# Altium PCB LimeKEY-RPCM_1v0.PcbDoc (part 3 of 8)
Units mm, origin at the board's own origin, x right, y up, seen from the top; angles counter-clockwise.
Board outline 170.15 x 110.15 mm, 6 copper layers (Top, L2, L3, L4, L5, Bottom), stack 1.583 mm thick; 716 components, 436 nets, 3084 pads, 1299 vias.
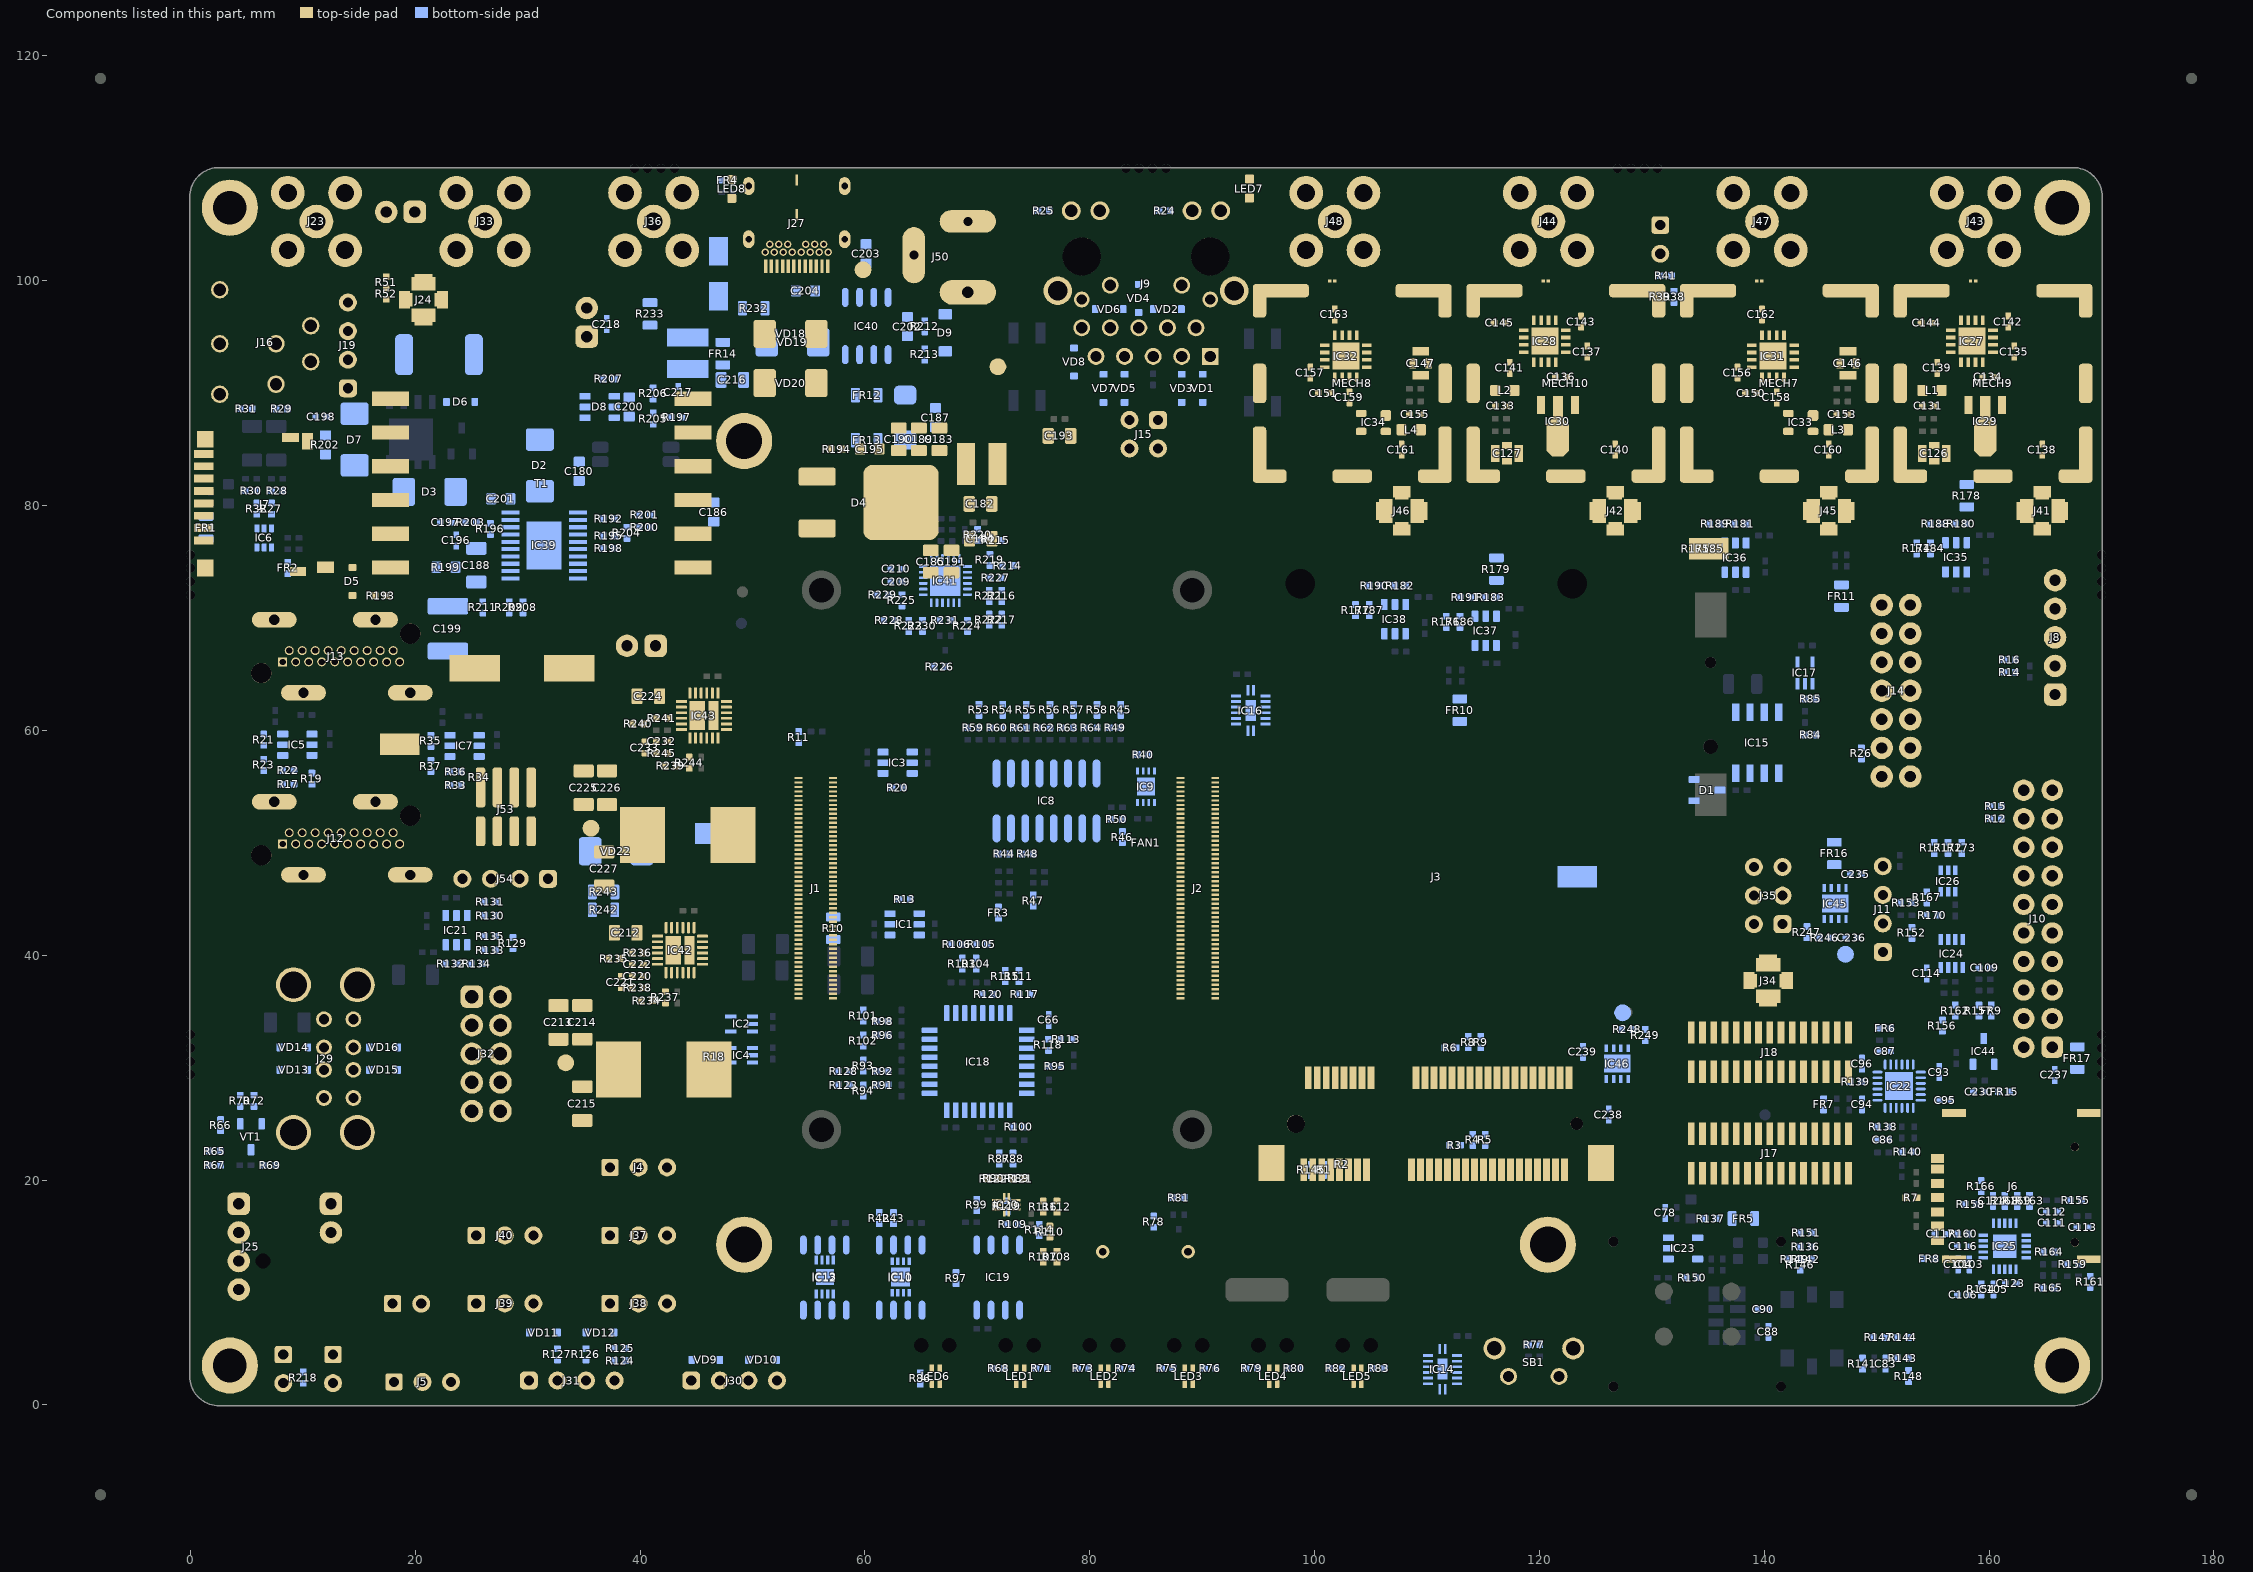
[diagram p7: the components of this part, seen from the top]

## Part data (continued)
C66 C230 C235 C236 C237 C238 C239: library part Cap_0402, Capacitance=4.7µF, Manufacturer="Murata Electronics North America", Manufacturer Part Number 1=GRM155R60J475ME87D, Operating Temperature="-55°C ~ 85°C", Package / Case="0402 (1005 Metric)", Ratings=-, Supplier Part Number 1=490-5408-1-ND, Temperature Coefficient=X5R, Tolerance=±20%, Voltage - Rated=6.3V, Applications="General Purpose", Category=Capacitors, Features="Derating Recommended", Height - Seated (Max)=-, Lead Spacing=-, Lead Style=-, Mounting Type="Surface Mount, MLCC", Packaging="Cut Tape (CT)", Part Description="4.7µF ±20% 6.3V X5R Ceramic Capacitor -55°C ~ 85°C Surface Mount, MLCC 0402 (1005 Metric) 0.039\" L x 0.020\" W (1.00mm x 0.50mm)", RoHS="RoHS Compliant", Size / Dimension="0.039\" L x 0.020\" W (1.00mm x 0.50mm)", Supplier 1=Digi-Key, Thickness (Max)="0.022\" (0.55mm)"
  C230 C237: Assembly Info=NF
C78 C86 C87 C93 C94 C95 C96 C103 C104 C105 C106 C109 C111 C112 C113 C131 C133 C134 C136 C138 C139 C140 C141 C142 C143 C144 C145 C153 C155 C156 C157 C158 C159 C160 C161 C162 C163: library part Cap_0402, Capacitance=100pF, Manufacturer=Yageo, Manufacturer Part Number 1=CC0402JRNPO9BN101, Operating Temperature="-55°C ~ 125°C", Package / Case="0402 (1005 Metric)", Ratings=-, Supplier Part Number 1=311-1024-1-ND, Temperature Coefficient="C0G, NP0", Tolerance=±5%, Voltage - Rated=50V, Applications="General Purpose", Category=Capacitors, Features=-, Height - Seated (Max)=-, Lead Spacing=-, Lead Style=-, Mounting Type="Surface Mount, MLCC", Packaging="Cut Tape (CT)", Part Description="100pF ±5% 50V C0G, NP0 Ceramic Capacitor -55°C ~ 125°C Surface Mount, MLCC 0402 (1005 Metric) 0.039\" L x 0.020\" W (1.00mm x 0.50mm)", RoHS="RoHS Compliant", Size / Dimension="0.039\" L x 0.020\" W (1.00mm x 0.50mm)", Supplier 1=Digi-Key, Thickness (Max)="0.022\" (0.55mm)"
C83 C88: library part Cap_0402, "CAP CER 1UF 10V X5R 0402", Capacitance=1, Capacitance Tolerance="± 10%", Ceramic Capacitor Case="0402 [1005 Metric]", Dielectric Characteristic=X6, Manufacturer=Yageo, Manufacturer Part Number 1=CC0402MRX5R6BB105, Supplier Part Number 1=311-1732-1-ND, Voltage Rating=10, Assembly Info=NF, MSL=-, Part Description="1µF 10V Ceramic Capacitor X5R 0402 (1005 Metric) 0.039\" L x 0.020\" W (1.00mm x 0.50mm)", Product Range="TDK - C Series", RoHS=YES, Supplier 1=Digi-Key
C90: library part Cap_0402, Capacitance=0.018µF, Manufacturer=Yageo, Manufacturer Part Number 1=CC0402KRX7R7BB183, Operating Temperature="-55°C ~ 125°C", Package / Case="0402 (1005 Metric)", Supplier Part Number 1=311-1706-1-ND, Temperature Coefficient=X7R, Tolerance=±10%, Voltage - Rated=16V, Applications="General Purpose", Assembly Info=NF, Category=Capacitors, Mounting Type="Surface Mount, MLCC", Packaging="Cut Tape (CT)", Part Description="0.018µF ±10% 16V Ceramic Capacitor X7R 0402 (1005 Metric)", Part Status=Active, RoHS="RoHS Compliant", Size / Dimension="0.039\" L x 0.020\" W (1.00mm x 0.50mm)", Supplier 1=Digi-Key, Thickness (Max)="0.022\" (0.55mm)"
C114 C116 C117: library part Cap_0402, Manufacturer="Murata Electronics North America", Manufacturer Part Number 1=GCM155R71H102KA37D, Operating Temperature="-55°C ~ 125°C", Package / Case="0402 (1005 Metric)", Ratings=AEC-Q200, Supplier Part Number 1=490-4761-1-ND, Temperature Coefficient=X7R, Tolerance=±10%, Voltage - Rated=50V, Applications=Automotive, Category=Capacitors, Features=-, Height - Seated (Max)=-, Lead Spacing=-, Lead Style=-, Mounting Type="Surface Mount, MLCC", Packaging="Cut Tape (CT)", Part Description="1000pF ±10% 50V Ceramic Capacitor X7R 0402 (1005 Metric)", Part Status=Active, RoHS="RoHS Compliant", Size / Dimension="0.039\" L x 0.020\" W (1.00mm x 0.50mm)", Supplier 1=Digi-Key, Thickness (Max)="0.022\" (0.55mm)"
C123: library part Cap_0402, Capacitance=220pF, Manufacturer=Yageo, Manufacturer Part Number 1=CC0402KRX7R9BB221, Operating Temperature="-55°C ~ 125°C", Package / Case="0402 (1005 Metric)", Ratings=-, Supplier Part Number 1=311-1035-2-ND, Temperature Coefficient=X7R, Tolerance=±10%, Voltage - Rated=50V, Applications="General Purpose", Category=Capacitors, Features=-, Height - Seated (Max)=-, Lead Spacing=-, Lead Style=-, Mounting Type="Surface Mount, MLCC", Packaging="Tape & Reel (TR)", Part Description="220pF ±10% 50V X7R Ceramic Capacitor -55°C ~ 125°C Surface Mount, MLCC 0402 (1005 Metric) 0.039\" L x 0.020\" W (1.00mm x 0.50mm)", RoHS="RoHS Compliant", Size / Dimension="0.039\" L x 0.020\" W (1.00mm x 0.50mm)", Supplier 1=Digi-Key, Thickness (Max)="0.022\" (0.55mm)"
C124: library part Cap_0402, Capacitance=10, Capacitance Tolerance="± 5%", Capacitor Case Style="0402 [1005 Metric]<!--FANDB--><div class=\"features-and-benefits-container\"></div>", Ceramic Capacitor Case="0402 [1005 Metric]", Dielectric Characteristic="C0G / NP0", Manufacturer=AVX, Manufacturer Part Number 1=04023A100JAT2A, Operating Temperature Max=125, Operating Temperature Min=-55, Supplier Part Number 1=2332478RL, Voltage Rating=25, Capacitance Tolerance ±="± 5%", MSL="MSL 1 - Unlimited", Packaging="Cut Tape", Part Description="10pF ±5% 25V C0G, NP0 Ceramic Capacitor -55°C ~ 125°C Surface Mount, MLCC 0402 (1005 Metric) 0.039\" L x 0.020\" W (1.00mm x 0.50mm)", Product Range=-, RoHS=YES, Supplier 1=Farnell, SVHC="No SVHC (16-Jun-2014)"
C126 C127 C146 C147: library part Cap_feed_through, Capacitance=470nF, Case/Package=0805, Case Code (Metric)=2012, Current=2A, DC Resistance (DCR)=30mR, Insulation Resistance=1GR, Manufacturer=Murata, Manufacturer Part Number 1=NFM21PC474R1C3D, Max Operating Temperature=125°C, Max Voltage Rating (DC)=16V, Min Operating Temperature=-55°C, Package Quantity=1, Supplier Part Number 1=490-2537-1-ND, Tolerance=20%, Case Code (Imperial)=0805, Current Rating=2A, Depth=1.25mm, Height=0.85mm, Lead Free="Lead Free", Length=2mm, Max Current Rating=2A, Mount="Surface Mount,PCB", Packaging="Tape and Reel", Part Description="0.47µF Feed Through Capacitor 16V 2A 30mOhm 0805 (2012 Metric), 3 PC Pad", Pricing 1="1=0,25000, 10=0,22900, 25=0,21840, 50=0,21160, 100=0,20450, 250=0,19392, 500=0,16218, 1000=0,12586 (USD)", Radiation Hardening=No, REACH SVHC="No SVHC", RoHS=Yes, Stock 1=220606, Supplier 1=Digi-Key, Termination=Flat, Voltage=16V, Voltage Rating=16V, Voltage Rating (DC)=16V, Weight=0.000194oz, Width=1.25mm
C135 C137 C150 C151 C197: library part Cap_0402, Manufacturer="Murata Electronics North America", Manufacturer Part Number 1=GRM155R71H103KA88D, Operating Temperature="-55°C ~ 125°C", Package / Case="0402 (1005 Metric)", Ratings=-, Supplier Part Number 1=490-4516-2-ND, Temperature Coefficient=X7R, Tolerance=±10%, Voltage - Rated=50V, Applications="General Purpose", Category=Capacitors, ComponentLink1Description=http://www.murata.com/~/media/webrenewal/support/library/catalog/products/capacitor/mlcc/c02e.ashx?la=en-us, ComponentLink1URL=http://www.murata.com/~/media/webrenewal/support/library/catalog/products/capacitor/mlcc/c02e.ashx?la=en-us, Features=-, Height - Seated (Max)=-, Lead Spacing=-, Lead Style=-, Mounting Type="Surface Mount, MLCC", Packaging="Tape & Reel (TR)", Part Description="10000pF ±10% 50V Ceramic Capacitor X7R 0402 (1005 Metric)", Part Status=Active, Pricing 1="10000=0.00185, 20000=0.00176, 30000=0.00167 (USD)", RoHS="RoHS Compliant", Size / Dimension="0.039\" L x 0.020\" W (1.00mm x 0.50mm)", Stock 1=10970000, Supplier 1=Digi-Key, Thickness (Max)="0.022\" (0.55mm)"
C180 C186: library part Cap_0603, Manufacturer="Murata Electronics North America", Manufacturer Part Number 1=GRM188R72A104KA35D, Operating Temperature="-55°C ~ 125°C", Package / Case="0603 (1608 Metric)", Ratings=-, Supplier Part Number 1=490-3285-1-ND, Temperature Coefficient=X7R, Tolerance=±10%, Voltage - Rated=100V, Applications="General Purpose", Category=Capacitors, Features=-, Height - Seated (Max)=-, Lead Spacing=-, Lead Style=-, Mounting Type="Surface Mount, MLCC", Notification="Current market demand for these product types have resulted in fluctuating and extending lead times. Lead times may differ.", Packaging="Cut Tape (CT)", Part Description="0.1µF ±10% 100V Ceramic Capacitor X7R 0603 (1608 Metric)", Part Status="Not For New Designs", RoHS="RoHS Compliant", Size / Dimension="0.063\" L x 0.031\" W (1.60mm x 0.80mm)", Supplier 1=Digi-Key, Thickness (Max)="0.035\" (0.90mm)"
C181: library part Cap_ceramic, Capacitance=100uF, Case/Package=Radial, Manufacturer=KEMET, Manufacturer Part Number 1=EEV107M063A9PAA, Max Operating Temperature=105°C, Min Operating Temperature=-40°C, Package Quantity=1, Supplier Part Number 1=399-6702-1-ND, Tolerance=20%, Voltage Rating=63V, ComponentLink1Description=http://components.arrow.com/part/dataview/41677645S8110057N1386, ComponentLink1URL=http://components.arrow.com/part/dataview/41677645S8110057N1386, ComponentLink2Description=https://www.distrelec.biz/Web/Downloads/_t/ds/PAN-FK_eng_tds.pdf?mime=application%2Fpdf, ComponentLink2URL=https://www.distrelec.biz/Web/Downloads/_t/ds/PAN-FK_eng_tds.pdf?mime=application%2Fpdf, ComponentLink3Description=http://uk.rs-online.com/webdocs/139e/0900766b8139e40f.pdf, ComponentLink3URL=http://uk.rs-online.com/webdocs/139e/0900766b8139e40f.pdf, ComponentLink4Description=http://www.alliedelec.com/m/d/e9dd47fa10a053d1f2828ce8bc944f54.pdf, ComponentLink4URL=http://www.alliedelec.com/m/d/e9dd47fa10a053d1f2828ce8bc944f54.pdf, ComponentLink5Description=https://industrial.panasonic.com/cdbs/www-data/pdf/RDE0000/ABA0000C1181.pdf, ComponentLink5URL=https://industrial.panasonic.com/cdbs/www-data/pdf/RDE0000/ABA0000C1181.pdf, ComponentLink6Description=http://www.farnell.com/datasheets/2002520.pdf, ComponentLink6URL=http://www.farnell.com/datasheets/2002520.pdf, ComponentLink7Description=http://industrial.panasonic.com/www-data/pdf/ABA0000/ABA0000CE120.pdf, ComponentLink7URL=http://industrial.panasonic.com/www-data/pdf/ABA0000/ABA0000CE120.pdf, ComponentLink8Description=http://www.farnell.com/datasheets/731857.pdf, ComponentLink8URL=http://www.farnell.com/datasheets/731857.pdf, ComponentLink9Description=http://www.produktinfo.conrad.com/datenblaetter/425000-449999/443507-da-01-en-SMD_ELKO_VFK_F_22_UF_100V.pdf, ComponentLink9URL=http://www.produktinfo.conrad.com/datenblaetter/425000-449999/443507-da-01-en-SMD_ELKO_VFK_F_22_UF_100V.pdf, ComponentLink10Description=https://industrial.panasonic.com/cdbs/www-data/pdf/RDE0000/DME0000COL90.pdf, ComponentLink10URL=https://industrial.panasonic.com/cdbs/www-data/pdf/RDE0000/DME0000COL90.pdf, ComponentLink11Description=http://www.industrial.panasonic.com/www-data/pdf/ABA0000/ABA0000CE2.pdf, ComponentLink11URL=http://www.industrial.panasonic.com/www-data/pdf/ABA0000/ABA0000CE2.pdf, ComponentLink12Description=http://www.mouser.com/ds/2/315/ABA0000C1145-947633.pdf, ComponentLink12URL=http://www.mouser.com/ds/2/315/ABA0000C1145-947633.pdf, ComponentLink13Description=http://www.farnell.com/datasheets/2648708.pdf, ComponentLink13URL=http://www.farnell.com/datasheets/2648708.pdf, ComponentLink14Description=http://industrial.panasonic.com/www-data/pdf/ABA0000/ABA0000CE2.pdf, ComponentLink14URL=http://industrial.panasonic.com/www-data/pdf/ABA0000/ABA0000CE2.pdf, ComponentLink15Description=https://datasheet.ciiva.com/15949/41cat-db-al-cgieejppdfnamemve-cgieejppdfnamemve-15949785.pdf?src-supplier=Onlinecomponents.com, ComponentLink15URL=https://datasheet.ciiva.com/15949/41cat-db-al-cgieejppdfnamemve-cgieejppdfnamemve-15949785.pdf?src-supplier=Onlinecomponents.com, ComponentLink16Description=http://www.mouser.com/ds/2/212/KEM_A4002_EEV-535332.pdf?src-supplier=Mouser, ComponentLink16URL=http://www.mouser.com/ds/2/212/KEM_A4002_EEV-535332.pdf?src-supplier=Mouser, ComponentLink17Description=https://content.kemet.com/datasheets/KEM_A4002_EEV.pdf?src-supplier=Digi-Key, ComponentLink17URL=https://content.kemet.com/datasheets/KEM_A4002_EEV.pdf?src-supplier=Digi-Key, Height - Seated (Max)=0.413inch, Length=10.2mm, Life (Hours)=2000Hour, Mount="Surface Mount", Packaging="Tape and Reel", Part Description="100 µF 63 V Aluminum Electrolytic Capacitors Radial, Can - SMD 2000 Hrs @ 105°C", Pricing 1="1=0,92000, 10=0,69700, 50=0,57940, 100=0,49890 (USD)", RoHS=Yes, Stock 1=5871, Supplier 1=Digi-Key, Termination=SMD/SMT, Voltage Rating (DC)=63V
C182 C183 C184 C185 C189 C190 C191 C193 C212 C216 C224: library part Cap_0603, Capacitance=10µF, Manufacturer="Murata Electronics North America", Manufacturer Part Number=GRM188R61E106MA73D, Operating Temperature="-55°C ~ 85°C", Package / Case="0603 (1608 Metric)", Ratings=-, Supplier Part Number 1=490-7202-2-ND, Temperature Coefficient=X5R, Tolerance=±20%, Voltage - Rated=25V, Applications="General Purpose", Category=Capacitors, Features=-, Height - Seated (Max)=-, Lead Spacing=-, Lead Style=-, Manufacturer Part Number 1=GRM188R61E106MA73D, Mounting Type="Surface Mount, MLCC", Packaging="Tape & Reel (TR)", Part Description="10µF ±20% 25V X5R Ceramic Capacitor -55°C ~ 85°C Surface Mount, MLCC 0603 (1608 Metric) 0.063\" L x 0.031\" W (1.60mm x 0.80mm)", RoHS="RoHS Compliant", Size / Dimension="0.063\" L x 0.031\" W (1.60mm x 0.80mm)", Supplier 1=Digi-Key, Thickness (Max)="0.031\" (0.80mm)"
C187: library part Cap_0603, Capacitance=1nF, Case/Package=0603, Case Code (Metric)=1608, Dielectric=X7R, Dielectric Material=Ceramic, Manufacturer=KEMET, Manufacturer Part Number 1=C0603C102K1RACTU, Max Operating Temperature=125°C, Min Operating Temperature=-55°C, Package Quantity=1, Supplier Part Number 1=399-7831-2-ND, Tolerance=10%, Voltage=100V, Case Code (Imperial)=0603, Depth=0.8mm, Dissipation Factor=10%, Height=0.8mm, Lead Pitch=0.7mm, Length=1.6mm, Mount="Surface Mount", Number of Pins=2, Packaging="Tape and Reel", Part Description="1000pF ±10% 100V Ceramic Capacitor X7R 0603 (1608 Metric)", Radiation Hardening=No, REACH SVHC="No SVHC", Supplier 1=Digi-Key, Termination=SMD/SMT, Thickness=0.034inch, Voltage Rating=100V, Voltage Rating (DC)=100V, Width=0.8mm
C188: library part Cap_1206, Manufacturer="TDK Corporation", Manufacturer Part Number 1=C3216X7S2A225K160AE, Operating Temperature="-55°C ~ 125°C", Package / Case="1206 (3216 Metric)", Ratings=-, Supplier Part Number 1=445-8900-1-ND, Temperature Coefficient=X7S, Tolerance=±10%, Voltage - Rated=100V, Applications="Boardflex Sensitive", Category=Capacitors, Failure Rate=-, Features="Soft Termination", Height - Seated (Max)=-, Lead Spacing=-, Lead Style=-, Mounting Type="Surface Mount, MLCC", Packaging="Cut Tape (CT)", Part Description="2.2µF ±10% 100V Ceramic Capacitor X7S 1206 (3216 Metric)", Part Status=Active, RoHS="RoHS Compliant", Size / Dimension="0.126\" L x 0.063\" W (3.20mm x 1.60mm)", Supplier 1=Digi-Key, Thickness (Max)="0.075\" (1.90mm)"
C195: library part Cap_0402, Manufacturer="Walsin Technologies", Manufacturer Part Number 1=0603B471K201CT, Supplier Part Number 1=791-0603B471K201CT, Part Description="Multilayer Ceramic Capacitors MLCC - SMD/SMT 470pF, +-10%, 200V", Pricing 1="1=0,11000, 10=0,05200, 50=0,05200, 100=0,02400, 1000=0,01300, 10000=0,00900 (USD)", RoHS=Yes, RoHS Compliant=Yes, Stock 1=8000, Supplier 1=Mouser
C196: library part Cap_0402, Capacitance=47nF, Case/Package=0402, Case Code (Metric)=1005, Dielectric=X7R, Manufacturer=Murata, Manufacturer Part Number 1=GRM155R71H473ME14D, Max Operating Temperature=125°C, Min Operating Temperature=-55°C, Package Quantity=10000, Resistor Type=Ceramic, Supplier Part Number 1=490-GRM155R71H473ME14DCT-ND, Tolerance=20%, Voltage Rating=50V, Case Code (Imperial)=0402, ComponentLink1Description=http://www.mouser.com/ds/2/281/c02e-2905.pdf?src-supplier=Mouser, ComponentLink1URL=http://www.mouser.com/ds/2/281/c02e-2905.pdf?src-supplier=Mouser, ComponentLink2Description=http://search.murata.co.jp/Ceramy/image/img/A01X/partnumbering_e_01.pdf?src-supplier=Digi-Key, ComponentLink2URL=http://search.murata.co.jp/Ceramy/image/img/A01X/partnumbering_e_01.pdf?src-supplier=Digi-Key, Height=0.5mm, Length=0.039inch, Mount="Surface Mount", Packaging="Tape and Reel", Part Description="Cap 0.047UF 50VDC X7R 20% SMD 0402 Paper Tape", Pricing 1="1=0,10000, 10=0,02900, 50=0,01580, 100=0,01290, 500=0,00924, 1000=0,00726, 2500=0,00660, 5000=0,00607 (USD)", RoHS=Yes, RoHS Compliant=Yes, Stock 1=3713, Supplier 1=Digi-Key, Termination=SMD/SMT, Thickness=0.022inch, Voltage Rating (DC)=50V, Weight=0.000212oz, Width=0.5mm
C198: library part Cap_0402, Capacitance=100pF, Case/Package=0603, Case Code (Metric)=1608, Dielectric=C0G, Dielectric Material=Ceramic, Manufacturer=Yageo, Manufacturer Part Number 1=CC0603JRNPOABN101, Max Operating Temperature=125°C, Min Operating Temperature=-55°C, Supplier Part Number 1=311-3979-1-ND, Tolerance=5%, Voltage Rating=200V, Applications="General Purpose", Case Code (Imperial)=0603, ComponentLink1Description=https://datasheet.ciiva.com/8033/1669968-8033768.pdf?src-supplier=Element14, ComponentLink1URL=https://datasheet.ciiva.com/8033/1669968-8033768.pdf?src-supplier=Element14, ComponentLink2Description=https://datasheet.ciiva.com/8033/1669968-8033767.pdf?src-supplier=Element14, ComponentLink2URL=https://datasheet.ciiva.com/8033/1669968-8033767.pdf?src-supplier=Element14, ComponentLink3Description=https://datasheet.ciiva.com/13263/upy-gp-np0-16v-to-50v-8-3714-13263783.pdf?src-supplier=Mouser, ComponentLink3URL=https://datasheet.ciiva.com/13263/upy-gp-np0-16v-to-50v-8-3714-13263783.pdf?src-supplier=Mouser, ComponentLink4Description=https://datasheet.ciiva.com/11465/upy-np0x7r-mv-100-to-630v-9-11465021.pdf?src-supplier=Avnet, ComponentLink4URL=https://datasheet.ciiva.com/11465/upy-np0x7r-mv-100-to-630v-9-11465021.pdf?src-supplier=Avnet, Construction=Flat, Depth=0.8mm, Height=0.8mm, Length=1.6mm, Mount="Surface Mount", Packaging="Tape and Reel", Part Description="CAP CER 100PF 200V C0G/NPO 0603", Pricing 1="1=0,11000, 10=0,08400, 50=0,04560, 100=0,03720, 500=0,02660, 1000=0,02090 (USD)", Radiation Hardening=No, REACH SVHC=Unknown, Resistor Type=Ceramic, RoHS=Yes, RoHS Compliant=Yes, Series=CC, Stock 1=39006, Supplier 1=Digi-Key, Termination=SMD/SMT, Thickness=0.035inch, Voltage Rating (DC)=200V, Weight=7.1E-05oz, Width=0.031inch
C199: library part Cap_1206, Capacitance=1nF, Case/Package=1812, Case Code (Metric)=4532, Dielectric=X7R, Dielectric Material=Ceramic, Manufacturer=KEMET, Manufacturer Part Number=C1812C102KGRACAUTO, Manufacturer Part Number 1=C1812C102KGRACTU, Max Operating Temperature=125°C, Min Operating Temperature=-55°C, Operating Temperature="-55°C ~ 125°C", Package / Case="1812 (4532 Metric)", Ratings=-, Supplier Part Number 1=399-3447-1-ND, Tolerance=±10%, Voltage - Rated="2000V (2kV)", Voltage Rating (DC)=2kV, Applications="General Purpose", Case Code (Imperial)=1812, Category=Capacitors, Failure Rate=-, Features="High Voltage", Height - Seated (Max)=-, Lead Spacing=-, Lead Style=-, Length=4.5mm, Mounting Type="Surface Mount, MLCC", Notification="Current market demand for these product types have resulted in fluctuating and extending lead times. Lead times may differ.", Packaging="Cut Tape (CT)", Part Description="1000pF ±10% 2000V (2kV) Ceramic Capacitor X7R 1812 (4532 Metric)", Part Status=Active, Pricing 2="1=0.51, 10=0.355, 100=0.2132, 500=0.1599 (USD)", RoHS="RoHS Compliant", Size / Dimension="0.177\" L x 0.126\" W (4.50mm x 3.20mm)", Stock 2=4004, Supplier 1=Digi-Key, Supplier 2=Digi-Key, Supplier Part Number 2=399-16774-1-ND, Temperature Coefficient=X7R, Termination=SMD/SMT, Thickness (Max)="0.061\" (1.55mm)", Weight=0.000952oz, Width=3.2mm
C200 C201: library part Cap_0603, Capacitance=47nF, Case/Package=0603, Case Code (Metric)=1608, Dielectric=X7R, Manufacturer=Yageo, Manufacturer Part Number 1=CC0603KRX7R9BB473, Max Operating Temperature=125°C, Min Operating Temperature=-55°C, Package Quantity=1, Supplier Part Number 1=311-1427-1-ND, Tolerance=10%, Voltage=50V, Case Code (Imperial)=0603, ComponentLink1Description=http://www.yageo.com/documents/recent/UPY-GPHC_X7R_6.3V-to-50V_18.pdf, ComponentLink1URL=http://www.yageo.com/documents/recent/UPY-GPHC_X7R_6.3V-to-50V_18.pdf, ComponentLink2Description=http://www.yageo.com/exep/pages/download/literatures/ProductSelectionGuide%202014_Final_2.pdf, ComponentLink2URL=http://www.yageo.com/exep/pages/download/literatures/ProductSelectionGuide%202014_Final_2.pdf, ComponentLink3Description=http://documents.rs-components.com/techlib://itc_doclist_GB.htm?stockno=6698811, ComponentLink3URL=http://documents.rs-components.com/techlib://itc_doclist_GB.htm?stockno=6698811, ComponentLink4Description=http://www.farnell.com/datasheets/1489800.pdf, ComponentLink4URL=http://www.farnell.com/datasheets/1489800.pdf, ComponentLink5Description=https://www.verical.com/server-webapp/html/getDatasheet?partID=403593, ComponentLink5URL=https://www.verical.com/server-webapp/html/getDatasheet?partID=403593, Composition=Ceramic, Depth=0.8mm, Halogen Free="Halogen Free", Height=0.8mm, Lead Free="Lead Free", Length=1.6mm, Mount="Surface Mount", Packaging="Tape and Reel", Part Description="0.047µF ±10% 50V Ceramic Capacitor X7R 0603 (1608 Metric)", Pricing 1="1=0.11, 10=0.08, 100=0.0358, 500=0.02558, 1000=0.0201 (USD)", Radiation Hardening=No, REACH SVHC=Unknown, Stock 1=1174358, Supplier 1=Digi-Key, Termination=SMD/SMT, Thickness=0.035inch, Voltage Rating=50V, Voltage Rating (DC)=50V, Width=0.031inch
C202 C203 C204: library part Cap_0603, Manufacturer="Samsung Electro-Mechanics", Manufacturer Part Number 1=CL10A105KA8NNNC, Operating Temperature="-55°C ~ 85°C", Package / Case="0603 (1608 Metric)", Ratings=-, Supplier Part Number 1=1276-1102-1-ND, Temperature Coefficient=X5R, Tolerance=±10%, Voltage - Rated=25V, Applications="General Purpose", Category=Capacitors, Features=-, Height - Seated (Max)=-, Lead Spacing=-, Lead Style=-, Mounting Type="Surface Mount, MLCC", Notification="Current market demand for these product types have resulted in fluctuating and extending lead times. Lead times may differ.", Packaging="Cut Tape (CT)", Part Description="1µF ±10% 25V Ceramic Capacitor X5R 0603 (1608 Metric)", Part Status=Active, RoHS="RoHS Compliant", Size / Dimension="0.063\" L x 0.031\" W (1.60mm x 0.80mm)", Supplier 1=Digi-Key, Thickness (Max)="0.035\" (0.90mm)"
C209 C210: library part Cap_0402, Capacitance=390pF, Case/Package=0402, Case Code (Metric)=1005, Dielectric=X7R, Manufacturer=Samsung, Manufacturer Part Number 1=CL05B391KB5NNNC, Max Operating Temperature=125°C, Min Operating Temperature=-55°C, Package Quantity=1, Supplier Part Number 1=1276-1560-1-ND, Tolerance=10%, Voltage=50V, Case Code (Imperial)=0402, ComponentLink1Description=https://datasheet.ciiva.com/25738/cl05b391kb5nnnc-25738709.pdf?src-supplier=Digi-Key, ComponentLink1URL=https://datasheet.ciiva.com/25738/cl05b391kb5nnnc-25738709.pdf?src-supplier=Digi-Key, ComponentLink2Description=https://datasheet.ciiva.com/26838/getdatasheetpartid-660062-26838242.pdf?src-supplier=Verical, ComponentLink2URL=https://datasheet.ciiva.com/26838/getdatasheetpartid-660062-26838242.pdf?src-supplier=Verical, ComponentLink3Description=https://datasheet.ciiva.com/16202/cl05b104kq5nnnc-16202591.pdf?src-supplier=Future+Electronics, ComponentLink3URL=https://datasheet.ciiva.com/16202/cl05b104kq5nnnc-16202591.pdf?src-supplier=Future+Electronics, Construction=Flat, Depth=0.5mm, Height=0.5mm, Length=1mm, Mount="Surface Mount", Packaging="Tape and Reel", Part Description="390 pF ±10% 50V Ceramic Capacitor X7R 0402 (1005 Metric)", Pricing 1="1=0,10000, 10=0,03400, 50=0,01860, 100=0,01520, 500=0,01088, 1000=0,00855, 2500=0,00778, 5000=0,00715 (USD)", Radiation Hardening=No, RoHS=Yes, RoHS Compliant=Yes, Series=CL, Stock 1=1313447, Supplier 1=Digi-Key, Thickness=0.022inch, Voltage Rating=50V, Width=0.02inch
C213 C214 C225 C226: library part Cap_1206, Manufacturer="Samsung Electro-Mechanics", Manufacturer Part Number=CL31A476MQHNNNE, Operating Temperature="-55°C ~ 85°C", Package / Case="1206 (3216 Metric)", Ratings=-, Supplier Part Number 1=1276-1167-1-ND, Temperature Coefficient=X5R, Tolerance=±20%, Voltage - Rated=6.3V, Applications="General Purpose", Category=Capacitors, Features=-, Height - Seated (Max)=-, Lead Spacing=-, Lead Style=-, Manufacturer Part Number 1=CL31A476MQHNNNE, Mounting Type="Surface Mount, MLCC", Notification="Current market demand for these product types have resulted in fluctuating and extending lead times. Lead times may differ.", Packaging="Cut Tape (CT)", Part Description="47µF ±20% 6.3V Ceramic Capacitor X5R 1206 (3216 Metric)", Part Status=Active, RoHS="RoHS Compliant", Size / Dimension="0.126\" L x 0.063\" W (3.20mm x 1.60mm)", Supplier 1=Digi-Key, Thickness (Max)="0.071\" (1.80mm)"
  C226: Assembly Info=NF
C215 C227: library part Cap_1206, Capacitance Tolerance="± 20%", Ceramic Capacitor Case="1206 [3216 Metric]", Manufacturer=MURATA, Manufacturer Part Number 1=GRM31CR60J107ME39L., Supplier Part Number 1=1735535, Voltage Rating=6.3, Assembly Info=NF, Part Description="SMD Multilayer Ceramic Capacitor, 1206 [3216 Metric], 100 µF, 6.3 V, ± 20%, X5R, GRM Series", Supplier 1=Farnell
C217 C218 C222: library part Cap_0402, Capacitance=0.022µF, Manufacturer=Kemet, Manufacturer Part Number 1=C0402C223K5RACTU, Operating Temperature="-55°C ~ 125°C", Package / Case="0402 (1005 Metric)", Ratings=-, Supplier Part Number 1=399-7780-1-ND, Temperature Coefficient=X7R, Tolerance=±10%, Voltage - Rated=50V, Applications="General Purpose", Category=Capacitors, Features=-, Height - Seated (Max)=-, Lead Spacing=-, Lead Style=-, Mounting Type="Surface Mount, MLCC", Packaging="Cut Tape (CT)", Part Description="0.022µF ±10% 50V X7R Ceramic Capacitor -55°C ~ 125°C Surface Mount, MLCC 0402 (1005 Metric) 0.039\" L x 0.020\" W (1.00mm x 0.50mm)", RoHS="RoHS Compliant", Size / Dimension="0.039\" L x 0.020\" W (1.00mm x 0.50mm)", Supplier 1=Digi-Key, Thickness (Max)="0.022\" (0.55mm)"
C220: library part Cap_0402, Capacitance=4.7, Capacitance Tolerance="± 0.25", Ceramic Capacitor Case="0402 [1005 Metric]", Dielectric Characteristic="C0G / NP0", Manufacturer="Murata Electronics North America", Manufacturer Part Number 1=GRM1555C1H4R7CA01D, Operating Temperature Max=125, Operating Temperature Min=-55, Supplier Part Number 1=2434644, Voltage Rating=50, MSL="MSL 1 - Unlimited", Packaging="Cut Tape", Part Description="4.7pF ±0.25pF 50V C0G, NP0 Ceramic Capacitor -55°C ~ 125°C Surface Mount, MLCC 0402 (1005 Metric) 0.039\" L x 0.020\" W (1.00mm x 0.50mm)", Product Range="GRM Series", RoHS=YES, Supplier 1=Farnell, SVHC="No SVHC (15-Jun-2015"
C221 C233: library part Cap_0402, Capacitance=1200pF, Manufacturer=Kemet, Manufacturer Part Number 1=C0402C122J5GACTU, Operating Temperature="-55°C ~ 125°C", Package / Case="0402 (1005 Metric)", Ratings=-, Supplier Part Number 1=399-7334-1-ND, Temperature Coefficient="C0G, NP0", Tolerance=±5%, Voltage - Rated=50V, Applications="General Purpose", Category=Capacitors, Features=-, Height - Seated (Max)=-, Lead Spacing=-, Lead Style=-, Mounting Type="Surface Mount, MLCC", Packaging="Cut Tape (CT)", RoHS="RoHS Compliant", Size / Dimension="0.039\" L x 0.020\" W (1.00mm x 0.50mm)", Supplier 1=Digi-Key, Thickness (Max)="0.022\" (0.55mm)"
  C221: Part Description="1200pF ±5% 50V C0G, NP0 Ceramic Capacitor -55°C ~ 125°C Surface Mount, MLCC 0402 (1005 Metric) 0.039\" L x 0.020\" W (1.00mm x 0.50mm)"
  C233: Part Description="1200pF ±5% 50V Ceramic Capacitor C0G, NP0 0402 (1005 Metric)"
C232: library part Cap_0402, Capacitance=2.2pF, Manufacturer="Samsung Electro-Mechanics America, Inc.", Manufacturer Part Number 1=CL05C2R2CB5NNNC, Operating Temperature="-55°C ~ 125°C", Package / Case="0402 (1005 Metric)", Ratings=-, Supplier Part Number 1=1276-1271-1-ND, Temperature Coefficient="C0G, NP0", Tolerance=±0.25pF, Voltage - Rated=50V, Applications="General Purpose", Category=Capacitors, Features=-, Height - Seated (Max)=-, Lead Spacing=-, Lead Style=-, Mounting Type="Surface Mount, MLCC", Packaging="Cut Tape (CT)", Part Description="2.2pF ±0.25pF 50V Ceramic Capacitor C0G, NP0 0402 (1005 Metric)", RoHS="RoHS Compliant", Size / Dimension="0.039\" L x 0.020\" W (1.00mm x 0.50mm)", Supplier 1=Digi-Key, Thickness (Max)="0.022\" (0.55mm)"
D1: library part BAT54C_shottky_diode, Average Rectified Current=200mA, Case/Package=TO-236-3, Manufacturer=Comchip, Manufacturer Part Number 1=BAT54C-G, Max Power Dissipation=225mW, Max Reverse Voltage (DC)=30V, Package Quantity=1, Supplier Part Number 1=641-1320-1-ND, ComponentLink1Description=http://www.farnell.com/datasheets/1918741.pdf, ComponentLink1URL=http://www.farnell.com/datasheets/1918741.pdf, ComponentLink2Description=http://www.farnell.com/datasheets/2353871.pdf, ComponentLink2URL=http://www.farnell.com/datasheets/2353871.pdf, ComponentLink3Description=https://www.alliedelec.com/m/d/272158a697e3f24d20806a718aa29d59.pdf, ComponentLink3URL=https://www.alliedelec.com/m/d/272158a697e3f24d20806a718aa29d59.pdf, ComponentLink4Description=http://www.onsemi.com/pub/Collateral/BAT54SLT1-D.PDF, ComponentLink4URL=http://www.onsemi.com/pub/Collateral/BAT54SLT1-D.PDF, ComponentLink5Description=https://datasheet.ciiva.com/4717/bat54-9536-4717410.pdf?src-supplier=Mouser, ComponentLink5URL=https://datasheet.ciiva.com/4717/bat54-9536-4717410.pdf?src-supplier=Mouser, ComponentLink6Description=https://datasheet.ciiva.com/904/bat54-904630.pdf?src-supplier=Digi-Key, ComponentLink6URL=https://datasheet.ciiva.com/904/bat54-904630.pdf?src-supplier=Digi-Key, ComponentLink7Description=https://datasheet.ciiva.com/904/bat54-904631.pdf?src-supplier=Digi-Key, ComponentLink7URL=https://datasheet.ciiva.com/904/bat54-904631.pdf?src-supplier=Digi-Key, ComponentLink8Description=https://datasheet.ciiva.com/904/bat54-904632.pdf?src-supplier=Digi-Key, ComponentLink8URL=https://datasheet.ciiva.com/904/bat54-904632.pdf?src-supplier=Digi-Key, Element Configuration="Common Cathode", Mount="Surface Mount", Packaging="Tape and Reel", Part Description="Diode Array 1 Pair Common Cathode Schottky 30 V 200mA (DC) Surface Mount TO-236-3, SC-59, SOT-23-3", Pricing 1="1=0,23000, 10=0,18500, 100=0,09830, 500=0,06468, 1000=0,04399 (USD)", Recovery Time=5ns, Reverse Recovery Time=5ns, RoHS=Yes, Stock 1=764277, Supplier 1=Digi-Key
D2: library part MMSZ5245B_shottky_diode, Breakdown Voltage=111V, Case/Package=DO-214AA, Clamping Voltage=162V, Leakage Current=1uA, Manufacturer=Littelfuse, Max Operating Temperature=150°C, Max Surge Current=3.7A, Min Operating Temperature=-65°C, Operating Supply Voltage=100V, Package Quantity=3000, Peak Pulse Power=600W, Power Line Protection=No, Resistor Type=Zener, Supplier Part Number 1=SMBJ100ALFCT-ND, Test Current=1mA, ComponentLink1Description=http://www.mouser.com/ds/2/427/mmsz5225-102133.pdf, ComponentLink1URL=http://www.mouser.com/ds/2/427/mmsz5225-102133.pdf, ComponentLink2Description=https://datasheet.ciiva.com/331/littelfuse-tvs-diode-smbj-datasheet-pdf-331299.pdf?src-supplier=Digi-Key, ComponentLink2URL=https://datasheet.ciiva.com/331/littelfuse-tvs-diode-smbj-datasheet-pdf-331299.pdf?src-supplier=Digi-Key, ComponentLink3Description=https://datasheet.ciiva.com/331/littelfuse-tvs-diode-smbj-datasheet-pdf-331300.pdf?src-supplier=Digi-Key, ComponentLink3URL=https://datasheet.ciiva.com/331/littelfuse-tvs-diode-smbj-datasheet-pdf-331300.pdf?src-supplier=Digi-Key, ComponentLink4Description=https://datasheet.ciiva.com/331/littelfuse-tvs-diode-smbj-datasheet-pdf-331301.pdf?src-supplier=Digi-Key, ComponentLink4URL=https://datasheet.ciiva.com/331/littelfuse-tvs-diode-smbj-datasheet-pdf-331301.pdf?src-supplier=Digi-Key, Diode Type=ZENER, Height=2.44mm, Lead Free="Lead Free", Length=5.59mm, Manufacturer Part Number 1=SMBJ100A, Min Breakdown Voltage=111V, Mount="Surface Mount", Number of Channels=1, Number of Elements=1, Number of Pins=2, Number of Unidirectional Channels=1, Packaging="Tape and Reel", Part Description="ESD Suppressors / TVS Diodes 600W 100V 5% Uni-Directional", Peak Pulse Current=3.7A, Polarity=Unidirectional, Pricing 1="1=0,36000, 10=0,29300, 100=0,19970, 500=0,14980, 1000=0,11236 (USD)", Reverse Breakdown Voltage=111V, Reverse Standoff Voltage=100V, RoHS=Yes, RoHS Compliant=Yes, Series=SMBJ, Stock 1=13675, Supplier 1=Digi-Key, Termination=SMD/SMT, Voltage Rating (DC)=100V, Width=3.94mm
D3 D7: library part MURA120T3G_diode, Average Rectified Current=2A, Manufacturer=MCC, Max Reverse Voltage (DC)=200V, Package Quantity=3000, Supplier Part Number 1=353-ER2D-LTPCT-ND, ComponentLink1Description=http://www.mouser.com/ds/2/427/mmsz5225-102133.pdf, ComponentLink1URL=http://www.mouser.com/ds/2/427/mmsz5225-102133.pdf, ComponentLink2Description=http://www.onsemi.com/pub/Collateral/MMSD4148T1-D.PDF, ComponentLink2URL=http://www.onsemi.com/pub/Collateral/MMSD4148T1-D.PDF, ComponentLink3Description=http://www.farnell.com/datasheets/1707241.pdf, ComponentLink3URL=http://www.farnell.com/datasheets/1707241.pdf, ComponentLink4Description=https://www.verical.com/server-webapp/html/getDatasheet?partID=78734, ComponentLink4URL=https://www.verical.com/server-webapp/html/getDatasheet?partID=78734, ComponentLink5Description=http://www.onsemi.com/pub/Collateral/MURA115T3-D.PDF, ComponentLink5URL=http://www.onsemi.com/pub/Collateral/MURA115T3-D.PDF, ComponentLink6Description=http://www.jameco.com/Jameco/Products/ProdDS/1100812.pdf, ComponentLink6URL=http://www.jameco.com/Jameco/Products/ProdDS/1100812.pdf, ComponentLink7Description=http://uk.rs-online.com/webdocs/1221/0900766b812212fb.pdf, ComponentLink7URL=http://uk.rs-online.com/webdocs/1221/0900766b812212fb.pdf, ComponentLink8Description=http://www.farnell.com/datasheets/1750742.pdf, ComponentLink8URL=http://www.farnell.com/datasheets/1750742.pdf, ComponentLink9Description=https://datasheet.ciiva.com/6369/er2a-ler2j-ldo-214aa-6369821.pdf?src-supplier=Digi-Key, ComponentLink9URL=https://datasheet.ciiva.com/6369/er2a-ler2j-ldo-214aa-6369821.pdf?src-supplier=Digi-Key, Element Configuration=Single, Lead Free="Lead Free", Manufacturer Part Number 1=ER2D-LTP, Mount="Surface Mount", Packaging="Tape and Reel", Part Description="DIODE GEN PURP 200V 2A DO214AA", Pricing 1="1=0,45000, 10=0,33600, 100=0,20900, 500=0,14300, 1000=0,11000 (USD)", Reverse Recovery Time=35ns, RoHS=Yes, RoHS Compliant=Yes, Series=-, Stock 1=4206, Supplier 1=Digi-Key
D4: library part 12CWQ06FN_diode_array, Manufacturer="Sangdest Microelectronics", Supplier Part Number 1=1655-12CWQ06FNCT-ND, Manufacturer Part Number 1=12CWQ06FN, Part Description="Diode Array 1 Pair Common Cathode Schottky 60 V Surface Mount TO-252-3, DPak (2 Leads + Tab), SC-63", Pricing 1="1=0,70000, 10=0,61700, 100=0,47270, 500=0,37364, 1000=0,29892 (USD)", RoHS=No, Stock 1=56408, Supplier 1=Digi-Key